# KiCad board RadCheck-SDRAM.kicad_pcb (continued)
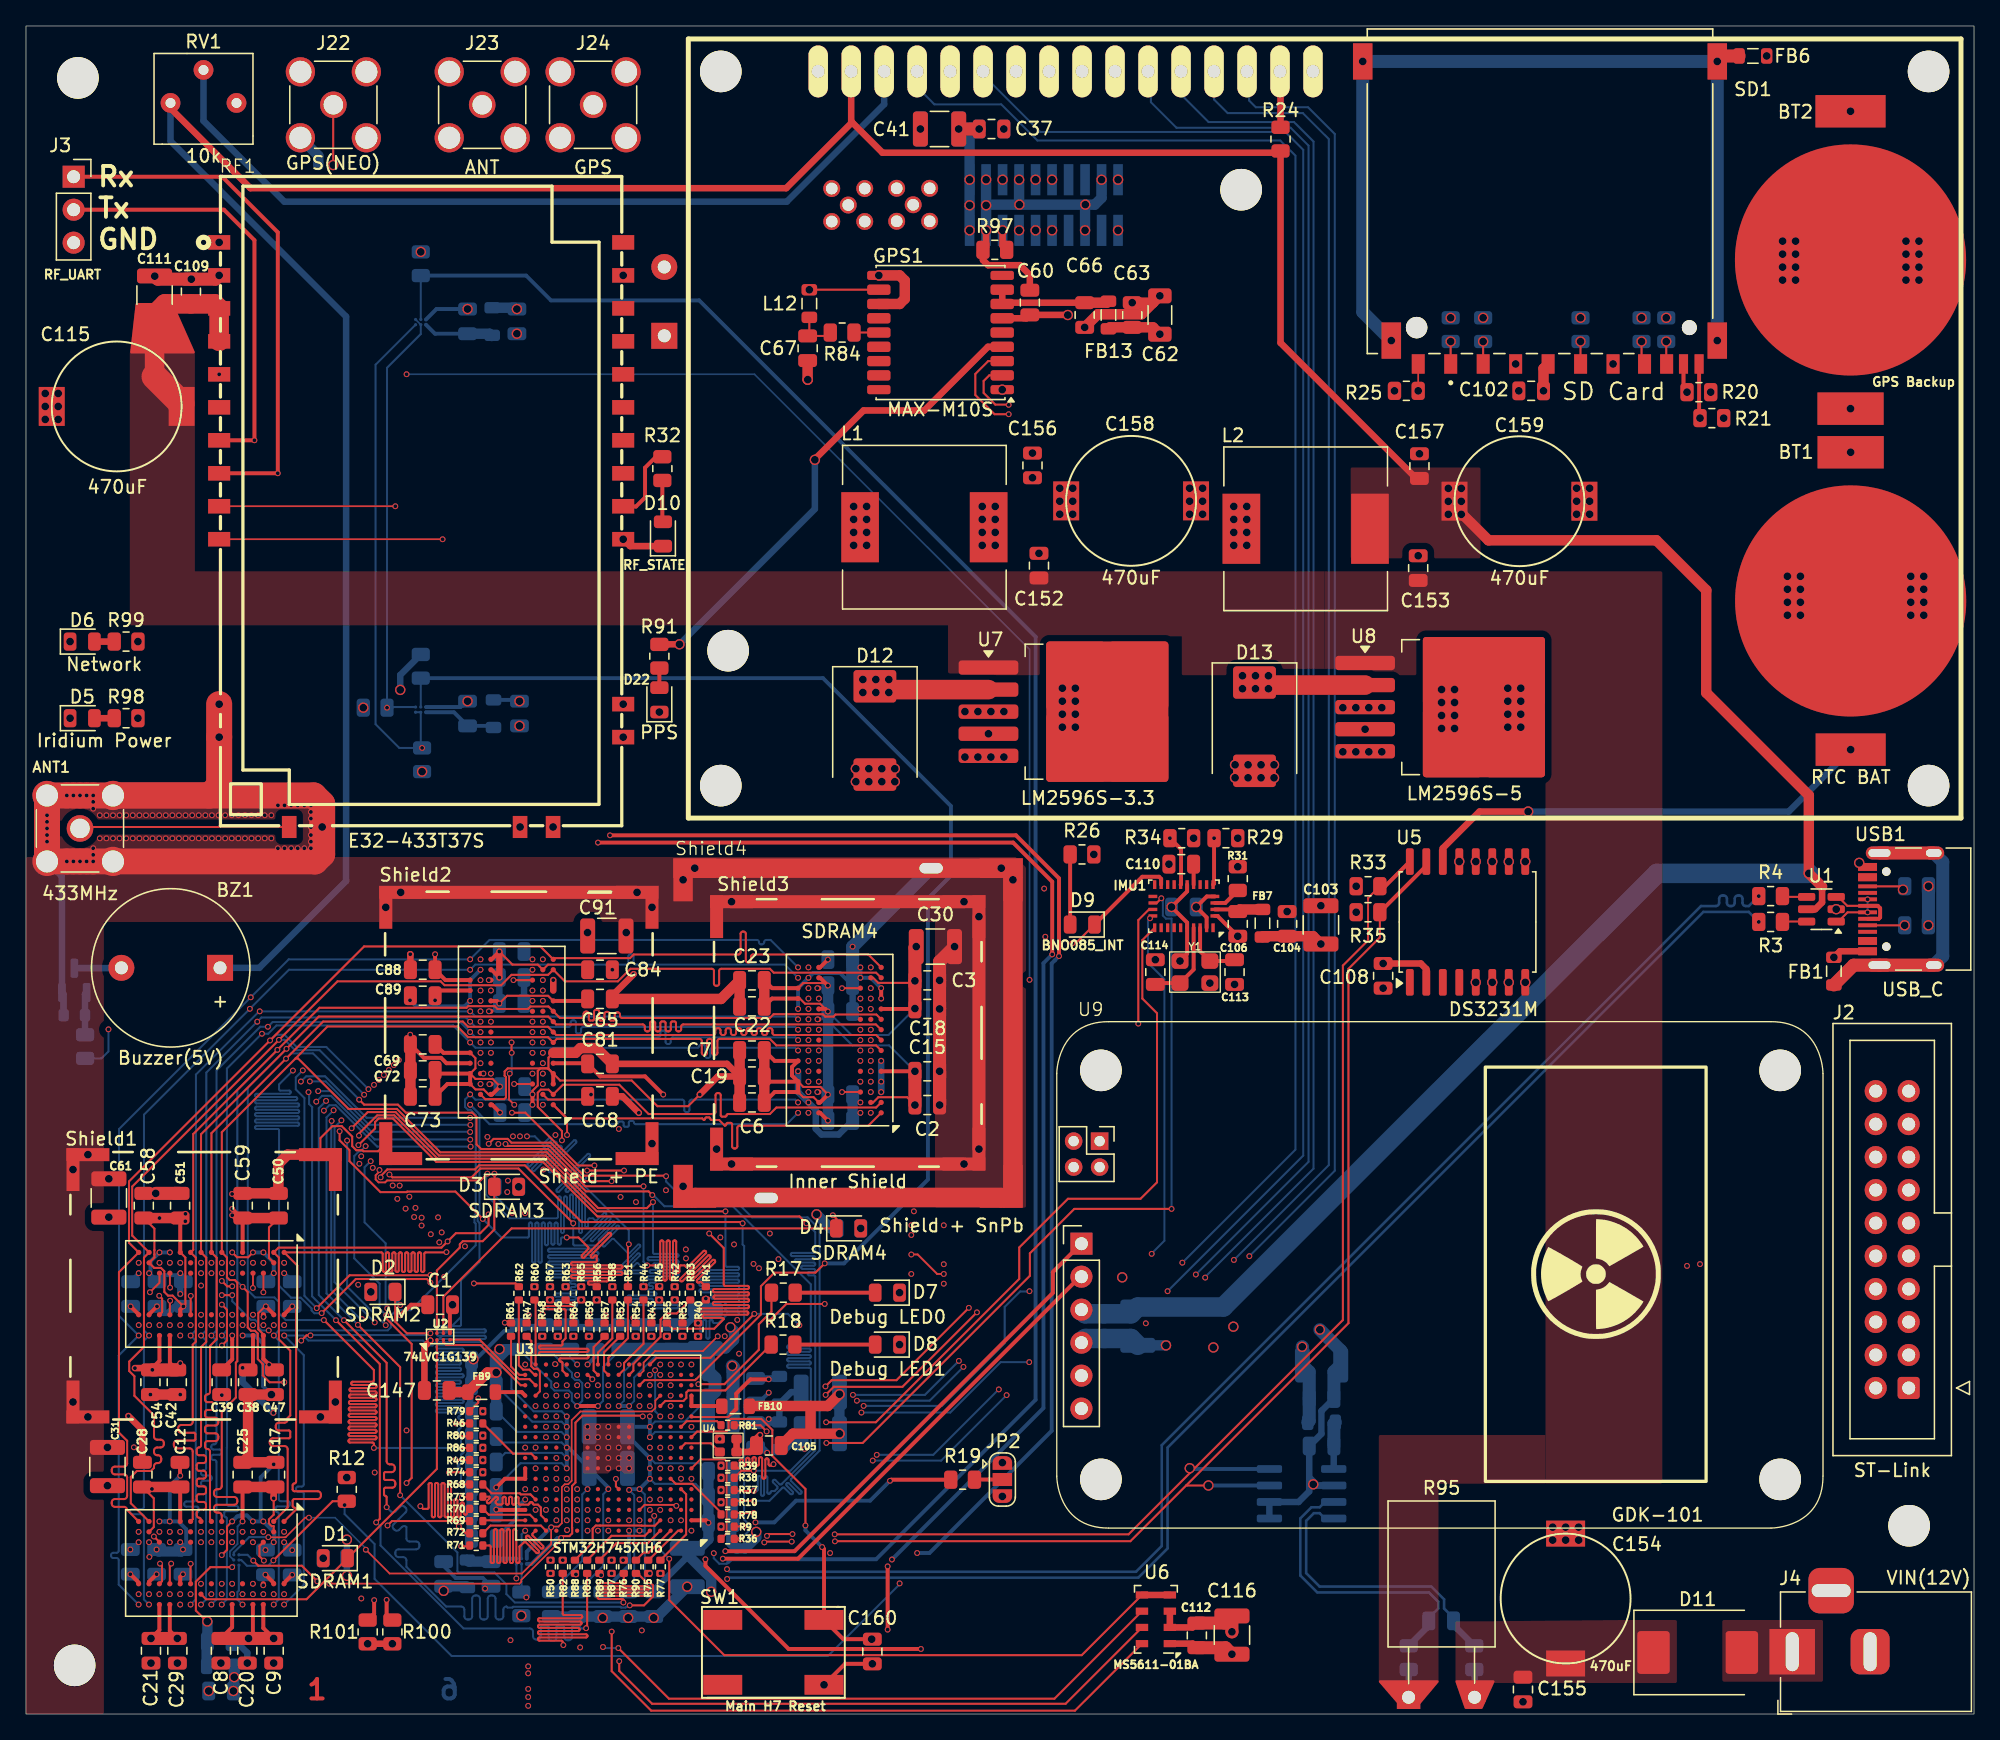
[diagram p0: board, top side]
## Routing (per net, layer and track width the routed paths; a pad name or vN(x,y) marks a point on that pad's centre or on a via; arc(x,y) is an arc through that point) (continued)
SDRAM_A10: length 161.9
  Top w0.142: v1(27.22,41.9) 27.22,41.78 26.92,41.49 26.92,41.17 27.15,40.94 27.66,40.94 27.8,41.09 35.01,41.09 v1(35.53,41.61)
  In3.Cu w0.142: v1(61.05,51.1) 60.66,51.49 53.5,51.49 arc(53.39,51.44) 53.34,51.33 53.34,51.22 arc(53.3,51.11) 53.18,51.06 53.1,51.06 arc(52.99,51.11) 52.94,51.22 52.94,52.55 arc(52.9,52.67) 52.78,52.71 52.7,52.71 arc(52.59,52.67) 52.54,52.55 52.54,51.65 arc(52.5,51.53) 52.38,51.49 40.11,51.49 39.96,51.33 36.19,51.33 v1(35.8,51.72) 35.4,52.12 35.4,50.28 35.39,50.28 35.16,50.51 34.84,50.51 34.61,50.28 34.61,49.96 33.58,48.93 33.58,48.73 33.31,48.46 33.31,48.22 27.22,42.13 v1(27.22,41.9) 27.17,41.9 20.27,35 20.27,34.56 20.04,34.34 19.72,34.34 19.49,34.11 19.49,33.79 19.22,33.51 17.63,33.51 17.09,32.97 17.09,32.76 v1(15.08,30.75) 15.49,30.34 15.49,23.38 15.47,23.36 15.47,18.32 arc(15.51,18.21) 15.63,18.16 15.81,18.16 arc(15.93,18.11) 15.97,18 15.97,17.92 arc(15.93,17.81) 15.81,17.76 14.32,17.76 arc(14.21,17.71) 14.16,17.6 14.16,17.52 arc(14.21,17.41) 14.32,17.36 15.31,17.36 arc(15.42,17.31) 15.47,17.2 15.47,10.42 v1(15.07,10.03)
  Bottom w0.142: v1(35.53,41.61) 35.44,41.52 35.44,39.97 37.23,38.18 40.87,38.18 arc(40.93,38.21) 40.96,38.27 40.96,39.77 arc(40.99,39.83) 41.05,39.86 41.1,39.86 arc(41.17,39.83) 41.19,39.77 41.19,37.14 arc(41.22,37.08) 41.29,37.05 41.33,37.05 arc(41.4,37.08) 41.42,37.14 41.42,39.77 arc(41.45,39.83) 41.52,39.86 41.56,39.86 arc(41.63,39.83) 41.66,39.77 41.66,38.27 arc(41.68,38.21) 41.75,38.18 41.8,38.18 arc(41.86,38.21) 41.89,38.27 41.89,39.92 arc(41.92,39.98) 41.98,40.01 42.03,40.01 arc(42.1,39.98) 42.12,39.92 42.12,38.27 arc(42.15,38.21) 42.22,38.18 42.26,38.18 arc(42.33,38.21) 42.36,38.27 42.36,39.77 arc(42.38,39.83) 42.45,39.86 42.49,39.86 arc(42.56,39.83) 42.59,39.77 42.59,37.14 arc(42.61,37.08) 42.68,37.05 42.73,37.05 arc(42.79,37.08) 42.82,37.14 42.82,40.02 arc(42.85,40.08) 42.91,40.11 42.96,40.11 arc(43.03,40.08) 43.05,40.02 43.05,37.59 arc(43.08,37.53) 43.15,37.5 43.19,37.5 arc(43.26,37.53) 43.28,37.59 43.28,38.09 arc(43.31,38.15) 43.38,38.18 43.66,38.18 43.81,38.03 arc(43.88,38) 43.94,38.03 44.51,38.59 arc(44.57,38.62) 44.64,38.59 44.67,38.56 arc(44.7,38.49) 44.67,38.43 42.81,36.57 arc(42.79,36.5) 42.81,36.44 42.85,36.4 arc(42.91,36.38) 42.98,36.4 44.83,38.26 arc(44.9,38.29) 44.97,38.26 45,38.23 arc(45.03,38.16) 45,38.1 43.5,36.59 arc(43.47,36.53) 43.5,36.46 43.53,36.43 arc(43.59,36.4) 43.66,36.43 45.16,37.93 arc(45.23,37.96) 45.29,37.93 45.33,37.9 arc(45.36,37.83) 45.33,37.77 44.11,36.55 arc(44.08,36.48) 44.11,36.42 44.14,36.38 arc(44.21,36.36) 44.27,36.38 45.49,37.6 arc(45.56,37.63) 45.62,37.6 45.66,37.57 arc(45.68,37.51) 45.66,37.44 44.4,36.18 arc(44.37,36.12) 44.4,36.05 44.43,36.02 arc(44.5,35.99) 44.56,36.02 45.13,36.58 arc(45.19,36.61) 45.26,36.58 46.34,35.5 arc(46.41,35.47) 46.47,35.5 47.12,36.14 arc(47.18,36.17) 47.25,36.14 47.28,36.11 arc(47.31,36.05) 47.28,35.98 45.97,34.66 arc(45.94,34.6) 45.97,34.53 46,34.5 arc(46.06,34.47) 46.13,34.5 47.09,35.46 arc(47.16,35.49) 47.23,35.46 47.26,35.43 arc(47.29,35.36) 47.26,35.3 46.61,34.65 arc(46.59,34.59) 46.61,34.52 46.65,34.49 arc(46.71,34.46) 46.78,34.49 47,34.71 arc(47.06,34.74) 47.13,34.71 47.53,34.31 47.53,34.25 arc(47.5,34.19) 47.44,34.16 45.62,34.16 arc(45.56,34.13) 45.53,34.07 45.53,34.02 arc(45.56,33.95) 45.62,33.93 47.44,33.93 arc(47.5,33.9) 47.53,33.83 47.53,32.93 v1(47.55,32.91)
SDRAM_A11: length 166.2
  Top w0.157: v1(43.2,41.85) v1(46.05,41.85)
  In1.Cu w0.127: v1(35.53,44.45) 35.53,45.54 34.76,46.31 29.7,46.31 v1(27.18,48.83)
  In3.Cu w0.142: v1(27.18,48.83) 23.09,52.93 v1(18.63,52.93)
  In4.Cu w0.129: v1(46.05,41.85) 46.05,40.89 46.16,40.78 arc(46.19,40.71) 46.16,40.65 45.86,40.35 arc(45.84,40.29) 45.86,40.23 45.89,40.2 arc(45.95,40.17) 46.02,40.2 47.73,41.91 arc(47.79,41.94) 47.86,41.91 47.89,41.88 arc(47.91,41.82) 47.89,41.76 46.17,40.04 arc(46.15,39.98) 46.17,39.92 46.2,39.89 arc(46.27,39.86) 46.33,39.89 46.98,40.54 arc(47.04,40.57) 47.1,40.54 47.14,40.51 arc(47.16,40.45) 47.14,40.38 46.73,39.98 arc(46.7,39.92) 46.73,39.85 46.76,39.82 arc(46.82,39.8) 46.88,39.82 47.29,40.23 arc(47.35,40.25) 47.42,40.23 47.45,40.2 arc(47.47,40.14) 47.45,40.07 47.22,39.84 arc(47.19,39.78) 47.22,39.72 47.25,39.69 arc(47.31,39.66) 47.37,39.69 47.64,39.95 arc(47.7,39.98) 47.76,39.95 47.79,39.92 arc(47.82,39.86) 47.79,39.8 47.39,39.39 arc(47.36,39.33) 47.39,39.27 47.42,39.24 arc(47.48,39.21) 47.54,39.24 47.7,39.4 arc(47.76,39.42) 47.82,39.4 47.85,39.37 arc(47.88,39.3) 47.85,39.24 47.24,38.62 arc(47.21,38.56) 47.24,38.5 47.27,38.47 arc(47.33,38.44) 47.39,38.47 47.87,38.95 arc(47.93,38.97) 47.99,38.95 48.02,38.91 arc(48.05,38.85) 48.02,38.79 47.55,38.31 arc(47.52,38.25) 47.55,38.19 47.58,38.16 arc(47.64,38.13) 47.7,38.16 48.18,38.64 arc(48.24,38.66) 48.3,38.64 48.33,38.6 arc(48.36,38.54) 48.33,38.48 48.17,38.32 arc(48.15,38.26) 48.17,38.2 48.21,38.17 arc(48.27,38.14) 48.33,38.17 48.49,38.32 arc(48.55,38.35) 48.61,38.32 48.8,38.13 48.8,37.87 arc(48.78,37.81) 48.71,37.78 47.29,37.78 arc(47.23,37.75) 47.2,37.69 47.2,37.65 arc(47.23,37.59) 47.29,37.56 48.71,37.56 arc(48.78,37.53) 48.8,37.47 48.8,37.43 arc(48.78,37.37) 48.71,37.34 48.64,37.34 arc(48.58,37.32) 48.55,37.25 48.55,37.21 arc(48.58,37.15) 48.64,37.12 48.71,37.12 arc(48.78,37.1) 48.8,37.03 48.8,36.72 arc(48.83,36.66) 48.89,36.63 49.61,36.63 arc(49.68,36.61) 49.7,36.55 49.7,36.5 arc(49.68,36.44) 49.61,36.41 48.89,36.41 arc(48.83,36.39) 48.8,36.33 48.8,36.28 arc(48.83,36.22) 48.89,36.19 49.61,36.19 arc(49.68,36.17) 49.7,36.11 49.7,36.06 arc(49.68,36) 49.61,35.98 48.89,35.98 arc(48.83,35.95) 48.8,35.89 48.8,35.84 arc(48.83,35.78) 48.89,35.76 49.61,35.76 arc(49.68,35.73) 49.7,35.67 49.7,35.62 arc(49.68,35.56) 49.61,35.54 48.89,35.54 arc(48.83,35.51) 48.8,35.45 48.8,35.41 arc(48.83,35.34) 48.89,35.32 49.61,35.32 arc(49.68,35.29) 49.7,35.23 49.7,35.19 arc(49.68,35.12) 49.61,35.1 48.89,35.1 arc(48.83,35.07) 48.8,35.01 48.8,34.97 arc(48.83,34.9) 48.89,34.88 49.61,34.88 arc(49.68,34.85) 49.7,34.79 49.7,34.75 arc(49.68,34.69) 49.61,34.66 48.34,34.66 arc(48.28,34.63) 48.25,34.57 48.25,34.53 arc(48.28,34.47) 48.34,34.44 49.61,34.44 arc(49.68,34.41) 49.7,34.35 49.7,34.31 arc(49.68,34.25) 49.61,34.22 48.89,34.22 arc(48.83,34.2) 48.8,34.13 48.8,34.09 arc(48.83,34.03) 48.89,34 49.61,34 arc(49.68,33.98) 49.7,33.91 49.7,33.87 arc(49.68,33.81) 49.61,33.78 48.89,33.78 arc(48.83,33.76) 48.8,33.69 48.8,33.65 arc(48.83,33.59) 48.89,33.56 49.61,33.56 arc(49.68,33.54) 49.7,33.48 49.7,33.43 arc(49.68,33.37) 49.61,33.34 48.89,33.34 arc(48.83,33.32) 48.8,33.26 v1(48.8,32.96) ; v1(43.2,41.85) 41.17,41.85 38.91,44.11 37.25,44.11 37.08,44.28 35.8,44.28 35.64,44.45 v1(35.53,44.45)
  Bottom w0.157: v1(14.27,8.43) 14.67,8.83 14.67,19.41 arc(14.62,19.52) 14.51,19.57 14.43,19.57 arc(14.31,19.62) 14.27,19.73 14.27,19.81 arc(14.31,19.92) 14.43,19.97 14.91,19.97 arc(15.02,20.02) 15.07,20.13 15.07,20.21 arc(15.02,20.32) 14.91,20.37 14.43,20.37 arc(14.31,20.42) 14.27,20.53 14.27,20.61 arc(14.31,20.72) 14.43,20.77 14.51,20.77 arc(14.62,20.82) 14.67,20.93 14.67,28.76 v1(14.28,29.15) 14.67,29.54 14.67,49.56 18.04,52.93 18.63,52.93 v1(18.63,52.93) 18.99,53.29 33.43,53.29 v1(34.2,52.52) 34.61,52.11 48.69,52.11 arc(48.8,52.16) 48.85,52.27 48.85,52.47 arc(48.89,52.58) 49.01,52.63 49.09,52.63 arc(49.2,52.58) 49.25,52.47 49.25,51.76 arc(49.29,51.65) 49.41,51.6 49.49,51.6 arc(49.6,51.65) 49.65,51.76 49.65,51.95 arc(49.69,52.07) 49.81,52.11 59.24,52.11 v1(59.45,51.9)
SDRAM_A12: length 171.1
  Top w0.157: v1(33.1,22.38) R46.2
  In2.Cu w0.127: v1(14.27,13.23) 13.86,13.65 13.86,17.25 ; 13.86,23.01 13.86,33.53 v1(14.28,33.95) 14.66,34.33 14.66,34.86 15.72,35.93 16.04,35.93 16.26,35.71 16.27,35.71 v1(24.72,44.16) 33.47,52.91 38.61,52.91 v1(39,52.52) 39.38,52.14 40.44,52.14 40.58,52.28 46.61,52.28 ; v1(64.25,51.9) 63.87,52.28 53.15,52.28
  In2.Cu w0.129: 13.86,23.01 13.86,19.17 arc(13.91,19.05) 14.02,19.01 14.27,19.01 arc(14.38,18.96) 14.43,18.85 14.43,18.77 arc(14.38,18.65) 14.27,18.61 13.55,18.61 arc(13.44,18.56) 13.39,18.45 13.39,18.37 arc(13.44,18.25) 13.55,18.21 14.27,18.21 arc(14.38,18.16) 14.43,18.05 14.43,17.97 arc(14.38,17.85) 14.27,17.81 13.55,17.81 arc(13.44,17.76) 13.39,17.65 13.39,17.57 arc(13.44,17.45) 13.55,17.41 13.7,17.41 arc(13.81,17.36) 13.86,17.25 ; 53.15,52.28 52.53,52.28 arc(52.41,52.23) 52.37,52.12 52.37,51.89 arc(52.32,51.78) 52.21,51.73 52.13,51.73 arc(52.01,51.78) 51.97,51.89 51.97,52.67 arc(51.92,52.78) 51.81,52.83 51.73,52.83 arc(51.61,52.78) 51.57,52.67 51.57,51.89 arc(51.52,51.78) 51.41,51.73 51.33,51.73 arc(51.21,51.78) 51.17,51.89 51.17,52.67 arc(51.12,52.78) 51.01,52.83 50.93,52.83 arc(50.81,52.78) 50.77,52.67 50.77,52.44 arc(50.72,52.33) 50.61,52.28 50.53,52.28 arc(50.41,52.33) 50.37,52.44 50.37,52.67 arc(50.32,52.78) 50.21,52.83 50.13,52.83 arc(50.01,52.78) 49.97,52.67 49.97,52.44 arc(49.92,52.33) 49.81,52.28 49.73,52.28 arc(49.61,52.33) 49.57,52.44 49.57,52.67 arc(49.52,52.78) 49.41,52.83 49.33,52.83 arc(49.21,52.78) 49.17,52.67 49.17,51.99 arc(49.12,51.88) 49.01,51.83 48.93,51.83 arc(48.81,51.88) 48.77,51.99 48.77,52.12 arc(48.72,52.23) 48.61,52.28 48.53,52.28 arc(48.41,52.23) 48.37,52.12 48.37,51.96 arc(48.32,51.85) 48.21,51.8 48.13,51.8 arc(48.01,51.85) 47.97,51.96 47.97,52.6 arc(47.92,52.71) 47.81,52.76 47.73,52.76 arc(47.61,52.71) 47.57,52.6 47.57,51.96 arc(47.52,51.85) 47.41,51.8 47.33,51.8 arc(47.21,51.85) 47.17,51.96 47.17,52.6 arc(47.12,52.71) 47.01,52.76 46.93,52.76 arc(46.81,52.71) 46.77,52.6 46.77,52.44 arc(46.72,52.33) 46.61,52.28
  In4.Cu w0.129: v1(27.7,29.94) 27.7,25.04 28.34,24.4 arc(28.4,24.37) 28.46,24.4 29.69,25.62 arc(29.75,25.65) 29.81,25.62 29.84,25.59 arc(29.87,25.53) 29.84,25.47 27.27,22.9 arc(27.25,22.84) 27.27,22.77 27.3,22.74 arc(27.37,22.72) 27.43,22.74 30,25.31 arc(30.06,25.34) 30.12,25.31 30.15,25.28 arc(30.18,25.22) 30.15,25.16 27.58,22.59 arc(27.56,22.53) 27.58,22.46 27.61,22.43 arc(27.68,22.41) 27.74,22.43 30.31,25 arc(30.37,25.03) 30.43,25 30.46,24.97 arc(30.49,24.91) 30.46,24.85 27.89,22.28 arc(27.87,22.22) 27.89,22.15 27.92,22.12 arc(27.99,22.1) 28.05,22.12 30.16,24.23 arc(30.22,24.26) 30.28,24.23 30.31,24.2 arc(30.34,24.14) 30.31,24.08 28.2,21.97 arc(28.18,21.91) 28.2,21.84 28.23,21.81 arc(28.3,21.79) 28.36,21.81 30.18,23.64 arc(30.25,23.67) 30.31,23.64 30.34,23.61 arc(30.37,23.55) 30.34,23.48 29.33,22.47 arc(29.3,22.41) 29.33,22.35 29.36,22.32 arc(29.42,22.29) 29.48,22.32 30.18,23.01 arc(30.24,23.04) 30.3,23.01 30.33,22.98 arc(30.36,22.92) 30.33,22.86 30.17,22.69 arc(30.14,22.63) 30.17,22.57 30.36,22.38 30.62,22.38 arc(30.69,22.41) 30.71,22.47 30.71,24.2 arc(30.74,24.26) 30.8,24.28 30.84,24.28 arc(30.91,24.26) 30.93,24.2 30.93,22.47 arc(30.96,22.41) 31.02,22.38 31.06,22.38 arc(31.13,22.41) 31.15,22.47 31.15,24.2 arc(31.18,24.26) 31.24,24.28 31.28,24.28 arc(31.34,24.26) 31.37,24.2 31.37,22.47 arc(31.4,22.41) 31.46,22.38 31.5,22.38 arc(31.56,22.41) 31.59,22.47 31.59,24.2 arc(31.62,24.26) 31.68,24.28 31.72,24.28 arc(31.78,24.26) 31.81,24.2 31.81,22.47 arc(31.83,22.41) 31.9,22.38 31.94,22.38 arc(32,22.41) 32.03,22.47 32.03,24.2 arc(32.05,24.26) 32.12,24.28 32.16,24.28 arc(32.22,24.26) 32.25,24.2 32.25,22.47 arc(32.27,22.41) 32.34,22.38 32.38,22.38 arc(32.44,22.41) 32.47,22.47 32.47,24.2 arc(32.49,24.26) 32.55,24.28 32.6,24.28 arc(32.66,24.26) 32.69,24.2 32.69,22.47 arc(32.71,22.41) 32.77,22.38 v1(33.1,22.38)
  Bottom w0.157: v1(24.72,44.16) 24.72,32.92 v1(27.7,29.94)
SDRAM_BA0: length 166.8
  Top w0.157: v1(34.82,24.31) 34.82,23.98 R79.2
  In2.Cu w0.127: v1(34.82,24.31) 34.82,24.63 arc(34.8,24.69) 34.73,24.72 32.91,24.72 arc(32.85,24.74) 32.82,24.8 32.82,24.85 arc(32.85,24.91) 32.91,24.93 34.73,24.93 arc(34.8,24.96) 34.82,25.02 34.82,25.06 arc(34.8,25.13) 34.73,25.15 32.91,25.15 arc(32.85,25.18) 32.82,25.24 32.82,25.28 arc(32.85,25.34) 32.91,25.37 34.73,25.37 arc(34.8,25.39) 34.82,25.45 34.82,25.5 arc(34.8,25.56) 34.73,25.58 32.91,25.58 arc(32.85,25.61) 32.82,25.67 32.82,25.71 arc(32.85,25.78) 32.91,25.8 34.73,25.8 arc(34.8,25.83) 34.82,25.89 34.82,26.17 33.78,27.22 arc(33.71,27.24) 33.65,27.22 32.41,25.97 arc(32.35,25.95) 32.29,25.97 32.26,26 arc(32.23,26.07) 32.26,26.13 34.87,28.74 arc(34.89,28.8) 34.87,28.86 34.84,28.89 arc(34.78,28.92) 34.71,28.89 32.1,26.28 arc(32.04,26.25) 31.98,26.28 31.95,26.31 arc(31.92,26.37) 31.95,26.43 34.56,29.05 arc(34.59,29.11) 34.56,29.17 34.53,29.2 arc(34.47,29.22) 34.41,29.2 31.8,26.59 arc(31.74,26.56) 31.67,26.59 31.64,26.62 arc(31.62,26.68) 31.64,26.74 34.26,29.35 arc(34.28,29.41) 34.26,29.47 34.22,29.5 arc(34.16,29.53) 34.1,29.5 31.49,26.89 arc(31.43,26.87) 31.37,26.89 31.34,26.92 arc(31.31,26.98) 31.34,27.05 33.95,29.66 arc(33.97,29.72) 33.95,29.78 33.92,29.81 arc(33.86,29.84) 33.8,29.81 31.18,27.2 arc(31.12,27.17) 31.06,27.2 31.03,27.23 arc(31.01,27.29) 31.03,27.35 33.57,29.89 arc(33.6,29.95) 33.57,30.02 33.54,30.05 arc(33.48,30.07) 33.42,30.05 30.88,27.5 arc(30.82,27.48) 30.76,27.5 30.73,27.54 arc(30.7,27.6) 30.73,27.66 33.2,30.13 arc(33.22,30.19) 33.2,30.25 33.16,30.28 arc(33.1,30.31) 33.04,30.28 31.94,29.18 arc(31.88,29.15) 31.82,29.18 26.05,34.95 26.05,41.41 v1(26.7,42.06)
  In3.Cu w0.142: v1(61.05,52.7) 60.66,53.09 45.07,53.09 arc(44.96,53.04) 44.91,52.93 44.91,52.02 arc(44.86,51.91) 44.75,51.86 44.67,51.86 arc(44.56,51.91) 44.51,52.02 44.51,53.35 arc(44.46,53.47) 44.35,53.51 44.27,53.51 arc(44.16,53.47) 44.11,53.35 44.11,53.25 arc(44.06,53.13) 43.95,53.09 40.11,53.09 39.96,52.93 36.19,52.93 v1(35.8,53.32) 35.41,53.71 34.84,53.71 34.61,53.48 34.61,53.16 34.84,52.93 34.84,52.91 34.61,52.68 34.61,52.36 34.84,52.13 34.61,51.91 34.61,51.08 33.48,49.95 33.48,49.16 33.08,48.75 33.08,48.49 26.7,42.11 v1(26.7,42.06) 26.65,42.06 18.33,33.74 16.36,33.74 16.11,33.49 15.76,33.49 13.48,31.21 v1(13.48,30.75) 13.07,30.34 13.07,24.58 13.3,24.35 13.3,21.03 13.87,20.47 13.87,16.56 arc(13.91,16.45) 14.03,16.4 14.93,16.4 arc(15.05,16.35) 15.09,16.24 15.09,16.16 arc(15.05,16.05) 14.93,16 13.6,16 arc(13.49,15.95) 13.44,15.84 13.44,15.76 arc(13.49,15.65) 13.6,15.6 13.71,15.6 arc(13.82,15.55) 13.87,15.44 13.87,10.42 v1(13.47,10.03)
SDRAM_BA1: length 167.3
  Top w0.157: v1(33.1,21.39) 34.11,21.39
  In3.Cu w0.142: v1(29.99,38.98) 29.3,38.29 29.3,34.6 arc(29.28,34.54) 29.21,34.51 28.57,34.51 arc(28.5,34.48) 28.48,34.42 28.48,34.37 arc(28.5,34.31) 28.57,34.28 29.21,34.28 arc(29.28,34.25) 29.3,34.19 29.3,34.14 arc(29.28,34.07) 29.21,34.05 28.57,34.05 arc(28.5,34.02) 28.48,33.95 28.48,33.91 arc(28.5,33.84) 28.57,33.81 29.21,33.81 arc(29.28,33.79) 29.3,33.72 29.3,33.67 arc(29.28,33.61) 29.21,33.58 28.57,33.58 arc(28.5,33.55) 28.48,33.49 28.48,33.44 arc(28.5,33.38) 28.57,33.35 29.21,33.35 arc(29.28,33.32) 29.3,33.26 29.3,33.21 arc(29.28,33.14) 29.21,33.12 28.57,33.12 arc(28.5,33.09) 28.48,33.02 28.48,32.98 arc(28.5,32.91) 28.57,32.88 29.21,32.88 arc(29.28,32.86) 29.3,32.79 29.3,32.74 arc(29.28,32.68) 29.21,32.65 28.57,32.65 arc(28.5,32.62) 28.48,32.56 28.48,32.51 arc(28.5,32.45) 28.57,32.42 29.21,32.42 arc(29.28,32.39) 29.3,32.33 29.3,32.28 arc(29.28,32.21) 29.21,32.19 28.57,32.19 arc(28.5,32.16) 28.48,32.09 28.48,32.05 arc(28.5,31.98) 28.57,31.95 29.21,31.95 arc(29.28,31.93) 29.3,31.86 29.3,31.25 arc(29.28,31.18) 29.21,31.16 29.2,31.16 arc(29.13,31.13) 29.1,31.06 29.1,31.02 arc(29.13,30.95) 29.2,30.92 29.21,30.92 arc(29.28,30.9) 29.3,30.83 29.3,30.5 arc(29.28,30.44) 29.21,30.41 29.17,30.41 arc(29.1,30.38) 29.07,30.32 29.07,30.27 arc(29.1,30.2) 29.17,30.18 29.21,30.18 arc(29.28,30.15) 29.3,30.08 29.3,30.04 arc(29.28,29.97) 29.21,29.94 28.57,29.94 arc(28.5,29.92) 28.47,29.85 28.47,29.8 arc(28.5,29.74) 28.57,29.71 29.21,29.71 arc(29.28,29.68) 29.3,29.62 29.3,29.57 arc(29.28,29.51) 29.21,29.48 28.57,29.48 arc(28.5,29.45) 28.47,29.39 28.47,29.34 arc(28.5,29.27) 28.57,29.25 29.21,29.25 arc(29.28,29.22) 29.3,29.15 29.3,29.11 arc(29.28,29.04) 29.21,29.01 28.57,29.01 arc(28.5,28.99) 28.47,28.92 28.47,28.87 arc(28.5,28.81) 28.57,28.78 29.21,28.78 arc(29.28,28.75) 29.3,28.69 29.3,28.64 arc(29.28,28.58) 29.21,28.55 28.57,28.55 arc(28.5,28.52) 28.47,28.46 28.47,28.41 arc(28.5,28.34) 28.57,28.32 29.21,28.32 arc(29.28,28.29) 29.3,28.22 29.3,28.18 arc(29.28,28.11) 29.21,28.08 28.57,28.08 arc(28.5,28.06) 28.47,27.99 28.47,27.94 arc(28.5,27.88) 28.57,27.85 29.21,27.85 arc(29.28,27.82) 29.3,27.76 29.3,27.71 arc(29.28,27.65) 29.21,27.62 28.57,27.62 arc(28.5,27.59) 28.47,27.53 28.47,27.48 arc(28.5,27.41) 28.57,27.39 29.21,27.39 arc(29.28,27.36) 29.3,27.29 29.3,27.25 arc(29.28,27.18) 29.21,27.15 28.57,27.15 arc(28.5,27.13) 28.47,27.06 28.47,27.01 arc(28.5,26.95) 28.57,26.92 29.21,26.92 arc(29.28,26.89) 29.3,26.83 29.3,26.78 arc(29.28,26.72) 29.21,26.69 28.57,26.69 arc(28.5,26.66) 28.47,26.6 28.47,26.55 arc(28.5,26.48) 28.57,26.46 29.21,26.46 arc(29.28,26.43) 29.3,26.36 29.3,26.32 arc(29.28,26.25) 29.21,26.22 28.57,26.22 arc(28.5,26.2) 28.47,26.13 28.47,26.08 arc(28.5,26.02) 28.57,25.99 29.21,25.99 arc(29.28,25.96) 29.3,25.9 29.3,25.85 arc(29.28,25.79) 29.21,25.76 28.57,25.76 arc(28.5,25.73) 28.47,25.67 28.47,25.62 arc(28.5,25.55) 28.57,25.53 29.21,25.53 arc(29.28,25.5) 29.3,25.43 29.3,25.39 arc(29.28,25.32) 29.21,25.29 28.57,25.29 arc(28.5,25.27) 28.47,25.2 28.47,25.15 arc(28.5,25.09) 28.57,25.06 29.21,25.06 arc(29.28,25.03) 29.3,24.97 29.3,24.92 arc(29.28,24.86) 29.21,24.83 28.57,24.83 arc(28.5,24.8) 28.47,24.74 28.47,24.69 arc(28.5,24.62) 28.57,24.6 29.21,24.6 arc(29.28,24.57) 29.3,24.5 29.3,24.46 arc(29.28,24.39) 29.21,24.36 28.57,24.36 arc(28.5,24.34) 28.47,24.27 28.47,24.22 arc(28.5,24.16) 28.57,24.13 29.21,24.13 arc(29.28,24.1) 29.3,24.04 29.3,23.99 arc(29.28,23.93) 29.21,23.9 28.57,23.9 arc(28.5,23.87) 28.47,23.81 28.47,23.76 arc(28.5,23.69) 28.57,23.67 29.21,23.67 arc(29.28,23.64) 29.3,23.57 29.3,23.53 arc(29.28,23.46) 29.21,23.43 28.57,23.43 arc(28.5,23.41) 28.47,23.34 28.47,23.29 arc(28.5,23.23) 28.57,23.2 29.21,23.2 arc(29.28,23.17) 29.3,23.11 29.3,23.06 arc(29.28,23) 29.21,22.97 28.57,22.97 arc(28.5,22.94) 28.47,22.88 28.47,22.83 arc(28.5,22.76) 28.57,22.74 29.21,22.74 arc(29.28,22.71) 29.3,22.64 29.3,22.6 arc(29.28,22.53) 29.21,22.5 28.57,22.5 arc(28.5,22.48) 28.47,22.41 28.47,22.36 arc(28.5,22.3) 28.57,22.27 29.21,22.27 arc(29.28,22.24) 29.3,22.18 v1(29.3,21.84)
  In4.Cu w0.129: v1(14.27,9.23) 13.89,9.61 13.89,23.43 arc(13.85,23.55) 13.73,23.59 13.6,23.59 arc(13.48,23.64) 13.44,23.75 13.44,23.83 arc(13.48,23.95) 13.6,23.99 14.14,23.99 arc(14.26,24.04) 14.3,24.15 14.3,24.23 arc(14.26,24.35) 14.14,24.39 13.6,24.39 arc(13.48,24.44) 13.44,24.55 13.44,24.63 arc(13.48,24.75) 13.6,24.79 13.73,24.79 arc(13.85,24.84) 13.89,24.95 13.89,29.56 v1(14.28,29.95) 14.7,30.37 14.7,34.11 14.92,34.33 15.24,34.33 15.5,34.59 15.5,34.91 15.72,35.13 16.04,35.13 16.12,35.04 17.45,36.37 27.36,36.37 29.97,38.98 v1(29.99,38.98) 29.99,39 32.94,41.95 32.94,50.02 34.04,51.12 34.04,51.34 33.82,51.56 33.82,52.68 34.04,52.9 34.36,52.9 34.74,52.52 v1(35,52.52) 35.38,52.14 39.96,52.14 40.1,52.28 50.59,52.28 arc(50.7,52.33) 50.75,52.44 50.75,52.97 arc(50.8,53.09) 50.91,53.13 50.99,53.13 arc(51.1,53.09) 51.15,52.97 51.15,52.18 arc(51.18,52.11) 51.25,52.08 51.51,52.08 arc(51.58,52.11) 51.61,52.18 arc(51.64,52.25) 51.71,52.28 59.87,52.28 v1(60.25,51.9) ; v1(29.3,21.84) 29.3,21.7 29.62,21.38 29.77,21.38 arc(29.83,21.35) 29.85,21.29 29.85,20.77 arc(29.88,20.71) 29.94,20.68 29.98,20.68 arc(30.05,20.71) 30.07,20.77 30.07,22.09 arc(30.1,22.15) 30.16,22.18 30.2,22.18 arc(30.27,22.15) 30.29,22.09 30.29,20.77 arc(30.32,20.71) 30.38,20.68 30.42,20.68 arc(30.49,20.71) 30.51,20.77 30.51,22.04 arc(30.54,22.1) 30.6,22.13 30.64,22.13 arc(30.7,22.1) 30.73,22.04 30.73,20.77 arc(30.76,20.71) 30.82,20.68 30.86,20.68 arc(30.92,20.71) 30.95,20.77 30.95,22.04 arc(30.98,22.1) 31.04,22.13 31.08,22.13 arc(31.14,22.1) 31.17,22.04 31.17,20.77 arc(31.19,20.71) 31.26,20.68 31.3,20.68 arc(31.36,20.71) 31.39,20.77 31.39,22.04 arc(31.41,22.1) 31.48,22.13 31.52,22.13 arc(31.58,22.1) 31.61,22.04 31.61,20.77 arc(31.63,20.71) 31.7,20.68 31.74,20.68 arc(31.8,20.71) 31.83,20.77 31.83,22.04 arc(31.85,22.1) 31.91,22.13 31.96,22.13 arc(32.02,22.1) 32.05,22.04 32.05,20.77 arc(32.07,20.71) 32.13,20.68 32.18,20.68 arc(32.24,20.71) 32.27,20.77 32.27,22.04 arc(32.29,22.1) 32.35,22.13 32.4,22.13 arc(32.46,22.1) 32.48,22.04 32.48,19.47 arc(32.51,19.41) 32.57,19.38 32.62,19.38 arc(32.68,19.41) 32.7,19.47 32.7,21.29 arc(32.73,21.35) 32.79,21.38 33.09,21.38 v1(33.1,21.39)
SDRAM_CS0: length 32.4
  Top w0.157: U2.3 31.64,18.88 D1.1 21.6,8.84 13.87,8.84 SDRAM1.J8
SDRAM_CS1: length 26.8
  Top w0.157: v1(31.14,29.32) 29.33,29.32 28.43,30.22 D2.1 ; v1(21.19,28.76) 21.59,29.16 v1(21.91,29.16) ; v1(15.08,32.26) v1(15.88,32.26)
  In3.Cu w0.142: v1(15.08,32.26) 14.86,32.26 13.87,31.26 13.87,30.59 13.64,30.36 13.48,30.36 v1(13.48,29.95) ; v1(18.69,29.54) 20.41,29.54 v1(21.19,28.76)
  Bottom w0.157: v1(18.69,29.54) 18.13,29.54 17.89,29.79 17.89,30.11 17.64,30.36 17.32,30.36 15.88,31.79 v1(15.88,32.26) ; v1(31.14,29.32) 31.01,29.19 21.94,29.19 v1(21.91,29.16)
SDRAM_CS2: length 31.4
  Top w0.142: v1(37.6,46.92) 37.2,47.32 37.2,49.27 v1(37.25,49.32) ; 37.39,50.93 v1(37.4,50.92)
  Top w0.157: 36.08,40.62 36.08,41.6 v1(36.07,41.61) ; D3.1 36.06,37.31 35.16,36.41 33.64,36.41 33.41,36.18 33.41,35.93 31.64,34.16 U2.6 ; v1(37.39,51.72) 37.39,50.93
  In1.Cu w0.127: v1(36.07,41.61) 36.7,41.61 39.46,44.38 39.46,45.8 38.34,46.92 v1(37.6,46.92)
  In3.Cu w0.142: v1(37.39,51.72) 36.6,51.72 v1(35,53.32)
  Bottom w0.142: 37.4,49.47 v1(37.25,49.32)
  Bottom w0.157: v1(37.4,50.92) 37.4,49.47
SDRAM_CS3: length 51.7
  Top w0.157: U2.7 32.14,32.14 37.4,37.4 D4.1 62.4,38.14 v1(62.13,38.41)
  In3.Cu w0.142: v1(62.13,38.41) 62.42,38.7 62.42,50.53 v1(60.25,52.7)
SDRAM_CS_A0: length 8
  Top w0.157: U3.R16 38.77,25.79 37.97,25.79 34.93,28.83 32.65,28.83
SDRAM_CS_A1: length 7.9
  Top w0.157: U2.2 32.14,28.64 32.36,28.42 34.99,28.42 38.09,25.32 U3.R17
SDRAM_D0: length 166.6
  Top w0.157: v1(38.73,30.73) 38.73,30.29
  In3.Cu w0.142: v1(28.24,40.7) 28.61,41.08 28.93,41.08 29.52,40.5 29.52,40.46 30.46,40.46 30.72,40.2 v1(37.06,40.2)
  In4.Cu w0.129: v1(38.73,30.73) 38.57,30.88 arc(38.51,30.91) 38.48,30.97 38.48,31.84 arc(38.46,31.9) 38.4,31.93 38.35,31.93 arc(38.29,31.9) 38.26,31.84 38.26,30.47 arc(38.24,30.41) 38.18,30.38 38.13,30.38 arc(38.07,30.41) 38.04,30.47 38.04,30.79 arc(38.02,30.85) 37.96,30.88 37.84,30.88 37.65,31.07 arc(37.62,31.13) 37.65,31.19 37.95,31.49 arc(37.98,31.56) 37.95,31.62 37.92,31.65 arc(37.86,31.68) 37.79,31.65 37.49,31.35 arc(37.43,31.32) 37.37,31.35 37.06,31.66 arc(37.09,31.72) 37.15,31.75 37.42,31.75 arc(37.48,31.77) 37.51,31.84 37.51,31.88 arc(37.48,31.94) 37.42,31.97 36.55,31.97 arc(36.49,31.99) 36.46,32.05 36.46,32.1 arc(36.49,32.16) 36.55,32.19 37.52,32.19 arc(37.58,32.21) 37.61,32.27 37.61,32.32 arc(37.58,32.38) 37.52,32.41 36.15,32.41 arc(36.09,32.43) 36.06,32.49 36.06,32.54 arc(36.09,32.6) 36.15,32.62 37.87,32.62 arc(37.93,32.65) 37.96,32.71 37.96,32.76 arc(37.93,32.82) 37.87,32.84 35.7,32.84 arc(35.64,32.87) 35.61,32.93 35.61,32.98 arc(35.64,33.04) 35.7,33.06 38.57,33.06 arc(38.63,33.09) 38.66,33.15 38.66,33.2 arc(38.63,33.26) 38.57,33.28 35.3,33.28 arc(35.24,33.31) 35.21,33.37 35.21,33.41 arc(35.24,33.48) 35.3,33.5 38.57,33.5 arc(38.63,33.53) 38.66,33.59 38.66,33.63 arc(38.63,33.7) 38.57,33.72 35.15,33.72 arc(35.09,33.75) 35.06,33.81 35.06,33.85 arc(35.09,33.92) 35.15,33.94 38.57,33.94 arc(38.63,33.97) 38.66,34.03 38.66,34.07 arc(38.63,34.13) 38.57,34.16 35.15,34.16 arc(35.09,34.19) 35.06,34.25 35.06,34.29 arc(35.09,34.35) 35.15,34.38 38.57,34.38 arc(38.63,34.41) 38.66,34.47 38.66,34.51 arc(38.63,34.57) 38.57,34.6 35.15,34.6 arc(35.09,34.62) 35.06,34.69 35.06,34.73 arc(35.09,34.79) 35.15,34.82 38.57,34.82 arc(38.63,34.84) 38.66,34.91 38.66,34.95 arc(38.63,35.01) 38.57,35.04 35.15,35.04 arc(35.09,35.06) 35.06,35.12 35.06,35.17 arc(35.09,35.23) 35.15,35.26 36.97,35.26 arc(37.03,35.28) 37.06,35.34 v1(37.06,40.2) ; v1(60.25,57.5) 59.79,57.96 59.26,57.96 arc(59.19,57.93) 59.16,57.86 arc(59.13,57.79) 59.06,57.76 58.8,57.76 arc(58.73,57.79) 58.7,57.86 58.7,58.62 arc(58.65,58.73) 58.54,58.78 58.46,58.78 arc(58.35,58.73) 58.3,58.62 58.3,58.12 arc(58.25,58.01) 58.14,57.96 40.18,57.96 39.96,57.74 35.38,57.74 v1(35,58.12) 34.62,57.74 34.62,56.5 31.85,53.72 31.85,44.59 28.24,40.98 v1(28.24,40.7) 27.96,40.7 24.72,37.46 14.86,37.46 12.53,35.13 10.92,35.13 10.7,34.91 10.7,34.59 10.44,34.33 8.52,34.33 8.3,34.11 8.3,33.79 8.68,33.41 v1(8.68,29.95) 7.51,28.78 7.51,10.4 7.71,10.2 arc(7.75,10.09) 7.71,9.97 7.32,9.59 arc(7.28,9.47) 7.32,9.36 7.38,9.3 arc(7.49,9.26) 7.6,9.3 7.99,9.69 arc(8.1,9.74) 8.22,9.69 v1(8.67,9.23)
